# Altium PCB NewBoard.PcbDoc (part 2 of 3) (continued)
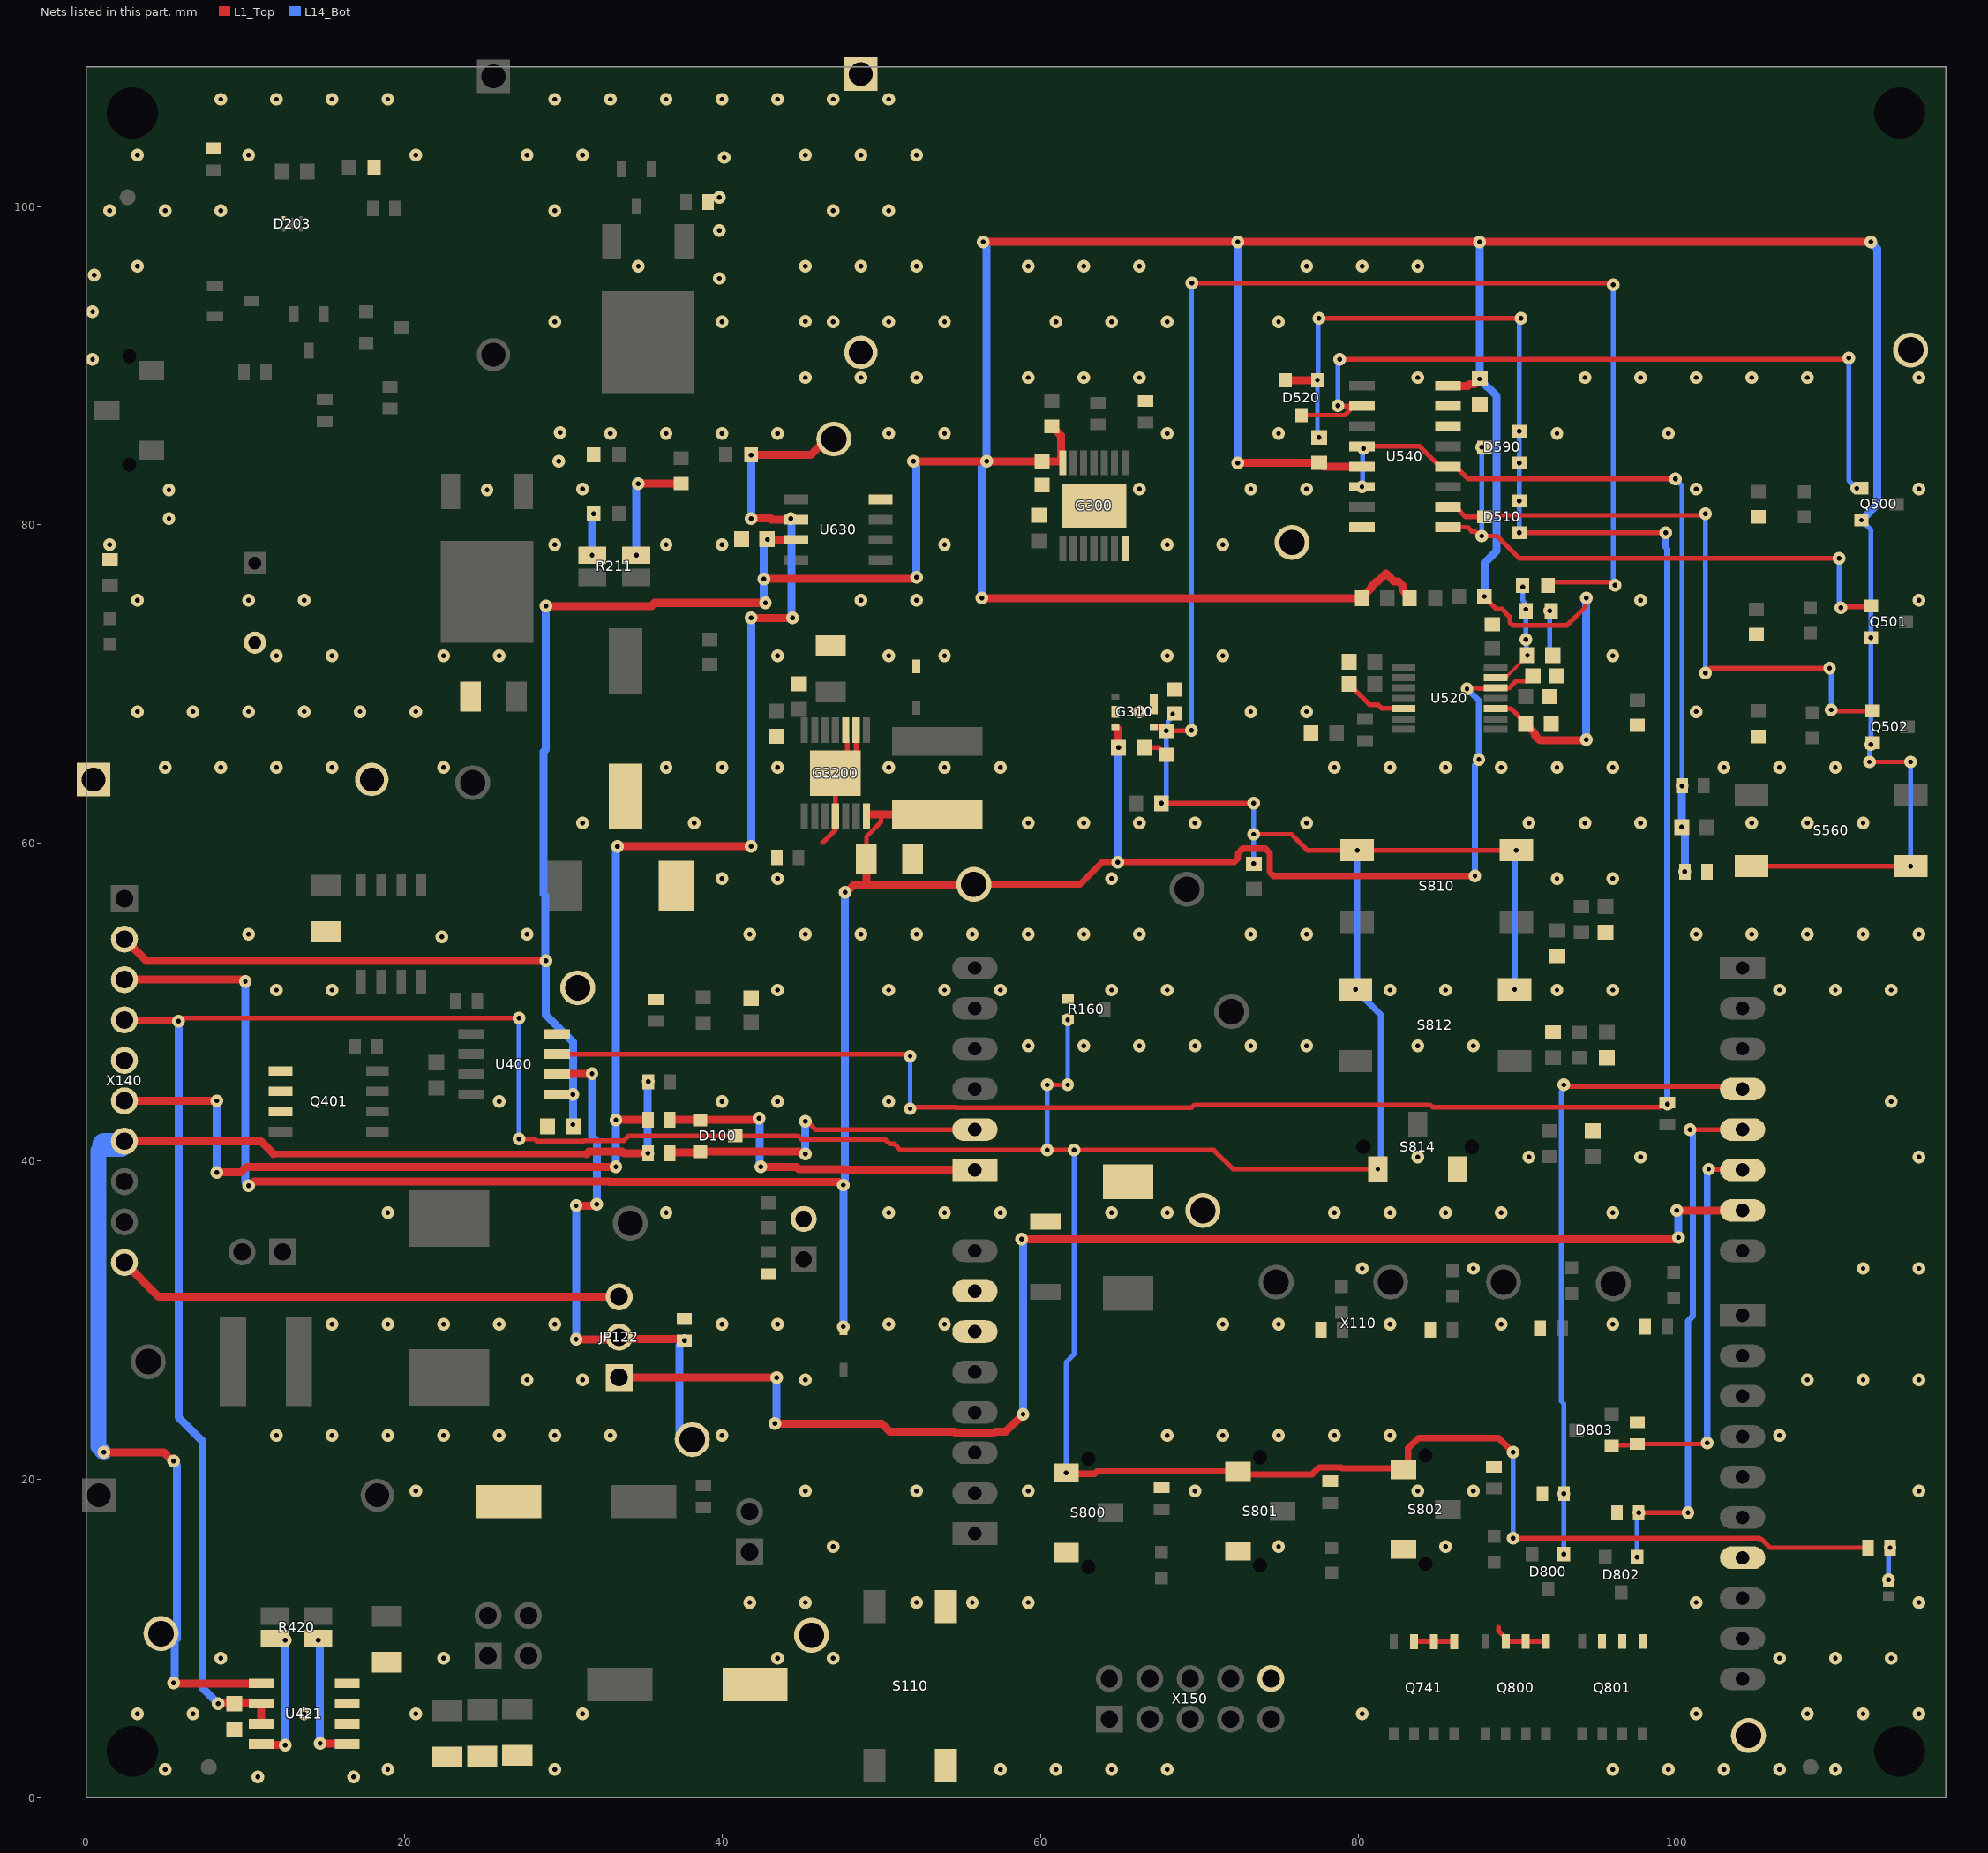
[diagram p2: the nets of this part, all layers, seen from the top]
## Part data (continued)
JP710: library part 624445, "Header, 4pins, 2.54mm pitch, Board to Board", Manufacturer="Wurth Elektronik", Package Description="Connector, THT, 2.54mm pitch, 4 pins,5.08mm L X 5.08mm W X 8.89mm H body", Supplier Part Number 1=2356130, Temperature max=105, Temperature min=-40, Temperature Range=Industrial, Voltage DC (max)=na, Article Number=624445, Automotive Qualified=No, Combined Parameters="Board-to-Board Header (male);2x2;Mounting:THT;Orient:0° (vertical);Shielded:No", ComponentLink1Description="Vendor WebSite", ComponentLink1URL=http://www.we-online.com, ComponentLink2Description=Datasheet, ComponentLink2URL=http://webnetprod.muc.infineon.com/PCBPortal_Prod/WorkFlows/AltiumComponent/StandardDocumentation?Versionid=624446, ComponentStatus=Released, Legacy DeviceID=WE_61300421121, Manufacturer Order Number=61300421121, PackageReference=THT, Part Type=Connector, PLMStatus=Active, QuickPick="0° (vertical) / Board-to-Board", RoHS Compliant=Y, Second Source allowed=Yes, Style=Strip, Supplier 1=Farnell, Supplier 2=DigiKey, Supplier 3=Mouser, Supplier Part Number 2=732-5294-ND, Supplier Part Number 3=710-61300421121, Type=Board-to-Board, Version Number=V01
L320: library part 638654, "IND / STD / 22uH / 2.1A / 20% / -40°C to 125°C / 89mR / SMD / Inductor; 2 pin, 6.00 mm L X 6.00 mm W X 4.50 mm H Body / SMD / -", Manufacturer="Wurth Elektronik", Package Description="Inductor; 2 pin, 6.00 mm L X 6.00 mm W X 4.50 mm H Body", Supplier Part Number 1=2431542, Temperature max=125, Temperature min=-40, Temperature Range=Automotive, Tolerance Neg=20%, Voltage DC (max)=na, Alternate View=Yes, Application="Power Electronics", Article Number=638654, Automotive Qualified="AEC Q200", Combined Parameters=Tol.:-20%/+20%;Rdc:89mR;Idc:2.1A;Fres:15MHz, ComponentLink1Description="Vendor WebSite", ComponentLink1URL=http://www.we-online.com, ComponentLink2Description=Datasheet, ComponentLink2URL=http://webnetprod.muc.infineon.com/PCBPortal_Prod/WorkFlows/AltiumComponent/StandardDocumentation?Versionid=638655, ComponentStatus=Released, Manufacturer Order Number=74404064220, Multiple Parts=No, PackageReference=SMD, Part Type=Inductor, PLMStatus=Active, QuickPick="22uH / Standard / SMD", RoHS Compliant=Y, Second Source allowed=Yes, Style=Single, Supplier 1=Farnell, Supplier 2=DigiKey, Supplier 3=Mouser, Supplier Part Number 2=732-5554-1-ND, Supplier Part Number 3=710-74404064220, Symbol Type="Inductor; Single; Standard; Polarized; Core; 2 Pins", Technology="Wire Wound", Tolerance Pos=20%, Type=Standard, Version Number=V01
L420: library part 657324, "IND / STD / 27uH / 4.6A / 20% / -40°C to 125°C / 40mR / 1210 / Inductor,Molded Body;12.00mm L X 12.00mm W X 10.00mm H / SMD / -", Manufacturer="Wurth Elektronik", Package Description="Inductor,Molded Body;12.00mm L X 12.00mm W X 10.00mm H", Supplier Part Number 1=2211547, Temperature max=125, Temperature min=-40, Temperature Range=Automotive, Tolerance Neg=20%, Voltage DC (max)=na, Alternate View=Yes, Application="Power Electronics", Article Number=657324, Automotive Qualified="AEC Q200", Combined Parameters=Tol.:-20%/+20%;Rdc:40mR;Idc:4.6A;Fres:8MHz, ComponentLink1Description="Vendor WebSite", ComponentLink1URL=http://www.we-online.com, ComponentLink2Description=Datasheet, ComponentLink2URL=http://webnetprod.muc.infineon.com/PCBPortal_Prod/WorkFlows/AltiumComponent/StandardDocumentation?Versionid=657325, ComponentStatus=Released, Manufacturer Order Number=7447709270, Multiple Parts=No, PackageReference=1210, Part Type=Inductor, PLMStatus=Active, QuickPick="27uH / Standard / 1210", RoHS Compliant=Y, Second Source allowed=Yes, Style=Single, Supplier 1=Farnell, Supplier 2=DigiKey, Supplier 3=Mouser, Supplier Part Number 2=732-4121-1-ND, Supplier Part Number 3=710-7447709270, Symbol Type="Inductor; Single; Standard; 2 Pins", Technology="Wire Wound", Tolerance Pos=20%, Type=Standard, Version Number=V00
L421: library part 657326, "IND / STD / 15uH / 5.8A / 20% / -55°C to 155°C / 43mR / 6.6 x 6.4 mm / Inductor, SMD, 2 pin, 6.40 mm L X 6.60 mm W X 6.00 mm H body / - / -", Manufacturer=Bourns, Package Description="Inductor, SMD, 2 pin, 6.40 mm L X 6.60 mm W X 6.00 mm H body", Supplier Part Number 1=2901829, Temperature max=155, Temperature min=-55, Temperature Range=Military, Tolerance Neg=20%, Voltage DC (max)=na, Alternate View=Yes, Application="Power Electronics", Article Number=657326, Automotive Qualified="AEC Q200", Combined Parameters=Tol.:-20%/+20%;Rdc:43mR;Idc:5.8A;Fres:11MHz, ComponentLink1Description="Vendor WebSite", ComponentLink1URL=http://www.bourns.com, ComponentLink2Description=Datasheet, ComponentLink2URL=http://webnetprod.muc.infineon.com/PCBPortal_Prod/WorkFlows/AltiumComponent/StandardDocumentation?Versionid=657327, ComponentStatus=Released, Manufacturer Order Number=SRP6060FA-150M, Multiple Parts=No, PackageReference="6.6 x 6.4 mm", Part Type=Inductor, PLMStatus=Active, QuickPick="15uH / Standard / 6.6 x 6.4 mm", RoHS Compliant=Y, Second Source allowed=Yes, Style=Single, Supplier 1=Farnell, Supplier 2=DigiKey, Supplier 3=Mouser, Supplier Part Number 2=SRP6060FA-150MCT-ND, Supplier Part Number 3=652-SRP6060FA-150M, Symbol Type="Inductor; Single; Standard; Core; 2 Pins", Technology="Wire Wound", Tolerance Pos=20%, Type=Standard, Version Number=V00
MP100 MP101 MP102 MP103: library part 455343, "Cheese Head Screw With Hexagon Socket, DIN 912 (ISO 4762), M3, 16mm length", Legacy PartNumber=MEC10000167, Manufacturer="Wurth Elektronik", Package Description="M3 Cheese Head Screw X 5.68mm Head", Temperature max=0, Temperature Range=Military, Voltage DC (max)=na, Alternate View=No, Article Number=455343, Automotive Qualified=No, Combined Parameters="Steel Hexagonal 19x5.68 Screw", ComponentLink1Description="Vendor WebSite", ComponentLink1URL=http://www.we-online.com, ComponentLink2Description=Datasheet, ComponentLink2URL=http://webnetprod.muc.infineon.com/PCBPortal_Prod/WorkFlows/AltiumComponent/StandardDocumentation?Versionid=455344, ComponentStatus=Released, Legacy DeviceID="MEC_0082 3 16", Manufacturer Order Number="0082 3 16", Multiple Parts=No, PackageReference=THT, Part Type=Mechanical, PLMStatus=Active, QuickPick=Screw, RoHS Compliant=N, Second Source allowed=Yes, Style=Hexagonal, Supplier 1=Farnell, Supplier 2=DigiKey, Supplier 3=Mouser, Symbol Type="Cheese-Head Screw, M2.5X5-DIN 912", Temperature min=0, Type=Screw, Version Number=V01
Q200 Q201: library part 644075, "OptiMOS Power Transistor, -60 V", Manufacturer="Infineon Technologies", Package Description="TO,2.28mm pitch;2 pin,9.98mm L X 6.50mm W X 2.50mm H body", Supplier Part Number 1=3267848, Temperature max=175, Temperature min=-55, Temperature Range=Military, Voltage DC (max)=na, Application="Power Electronics", Article Number=644075, Automotive Qualified=No, Combined Parameters="P-Channel Enhancement;Uds:-60V;Id:-22A;Rds:65R;P:83W", ComponentLink1Description="Vendor WebSite", ComponentLink1URL=https://www.infineon.com/, ComponentLink2Description=Datasheet, ComponentLink2URL=http://webnetprod.muc.infineon.com/PCBPortal_Prod/WorkFlows/AltiumComponent/StandardDocumentation?Versionid=644076, ComponentStatus=Released, Legacy DeviceID=IFX_IPD650P06NM, Manufacturer Order Number=IPD650P06NM, PackageReference=PG-TO252-3-313, Part Type="Transistor FET", PLMStatus=Active, QuickPick="P-Channel Enhancement / 83W / -22A / -60V / PG-TO252-3-313", RoHS Compliant=Y, Second Source allowed=Yes, Style=Single, Supplier 1=Farnell, Supplier 2=DigiKey, Supplier 3=Mouser, Supplier Part Number 2=448-IPD650P06NMATMA1CT-ND, Supplier Part Number 3=726-IPD650P06NMATMA1, Symbol Type="Insulated-Gate Field-Effect Transistor (IGFET), P-Channel, Enhancement,  Body Diode, Pin 1 Gate, 2 Drain, 3 Source, 3 Pins", Type="P-Channel Enhancement", Version Number=V01
Q202 Q500 Q501 Q502: library part 615536, "OptiMOSTM Small Signal Transistor, -60 V", Manufacturer="Infineon Technologies", Package Description="SOT,0.95mm,pitch;3 pin,1.30mm W X 2.90mm L X 1.10mm H body", Supplier Part Number 1=3267800, Temperature max=150, Temperature min=-55, Temperature Range=Military, Voltage DC (max)=na, Application="Small Signal", Article Number=615536, Automotive Qualified=No, Combined Parameters="P-Channel Enhancement;Uds:-60V;Id:-300mA;Rds:1.7R;P:360mW", ComponentLink1Description="Vendor WebSite", ComponentLink1URL=https://www.infineon.com/, ComponentLink2Description=Datasheet, ComponentLink2URL=http://webnetprod.muc.infineon.com/PCBPortal_Prod/WorkFlows/AltiumComponent/StandardDocumentation?Versionid=615537, ComponentStatus=Released, Legacy DeviceID=IFX_ISS17EP06LM, Manufacturer Order Number=ISS17EP06LM, PackageReference=PG-SOT23-3-5, Part Type="Transistor FET", PLMStatus=Active, QuickPick="P-Channel Enhancement / 360mW / -300mA / -60V / PG-SOT23-3-5", RoHS Compliant=Y, Second Source allowed=Yes, Style=Single, Supplier 1=Farnell, Supplier 2=DigiKey, Supplier 3=Mouser, Supplier Part Number 2=448-ISS17EP06LMXTSA1CT-ND, Supplier Part Number 3=726-ISS17EP06LMXTSA1, Symbol Type="Insulated-Gate Field-Effect Transistor (IGFET), P-Channel, Enhancement,  Body Diode, Pin 1 Gate, 2 Source, 3 Drain, 3 Pins", Type="P-Channel Enhancement", Version Number=V01
Q400 Q401: library part 584303, "HEXFET Power MOSFET, VDS 60V, RDS(on) max 14.4 mO", Manufacturer="Infineon Technologies", Package Description="Pullback Quad Flat No-Lead (PQFN); 4 pin, 6.00 mm L X 5.00 mm W X 0.90 mm H body", Supplier Part Number 1=2580010, Temperature max=150, Temperature min=-55, Temperature Range=Military, Voltage DC (max)=na, Application="Power Supply", Article Number=584303, Automotive Qualified=No, Combined Parameters="N-Channel Enhancement;Uds:60V;Id:40A;Rds:14.4R;P:46W", ComponentLink1Description="Vendor WebSite", ComponentLink1URL=https://www.infineon.com/, ComponentLink2Description=Datasheet, ComponentLink2URL=http://webnetprod.muc.infineon.com/PCBPortal_Prod/WorkFlows/AltiumComponent/StandardDocumentation?Versionid=584304, ComponentStatus=Released, Legacy DeviceID=IFX_IRFH5406TRPbF, Manufacturer Order Number=IRFH5406TRPbF, PackageReference=PQFN-5X6, Part Type="Transistor FET", PLMStatus=Active, QuickPick="N-Channel Enhancement / 46W / 40A / 60V / PQFN-5X6", RoHS Compliant=Y, Second Source allowed=Yes, Style=Single, Supplier 1=Farnell, Supplier 2=DigiKey, Supplier 3=Mouser, Supplier Part Number 2=IRFH5406TRPBFCT-ND, Supplier Part Number 3=942-IRFH5406TRPBF, Symbol Type="Insulated-Gate Field-Effect Transistor (IGFET), N-Channel, Enhancement, Body Diode, Pin 1 Source, 2 Source, 3 Source, 4 Gate, 5 Drain, 6 Drain, 7 Drain, 8 Drain, 8 Pins", Type="N-Channel Enhancement", Version Number=V01
Q741 Q800 Q801: library part 691273, "OptiMOS Power MOSFET, 30V", Manufacturer="Infineon Technologies", Package Description="PG-TDSON-8-6, SMD, 1.27 mm pitch, 8 pin, 5.90 mm W X 5.075 mm L X 1.20 mm H body", Supplier Part Number 1=2480745, Temperature max=150, Temperature min=-55, Temperature Range=Military, Voltage DC (max)=na, Application="Power Electronics", Article Number=691273, Automotive Qualified=No, Combined Parameters="N-Channel Enhancement;Uds:30V;Id:63A;Rds:4.5R;P:30W", ComponentLink1Description="Vendor WebSite", ComponentLink1URL=https://www.infineon.com/, ComponentLink2Description=Datasheet, ComponentLink2URL=http://webnetprod.muc.infineon.com/PCBPortal_Prod/WorkFlows/AltiumComponent/StandardDocumentation?Versionid=691274, ComponentStatus=Released, Legacy DeviceID=IFX_BSC0906NS, Manufacturer Order Number=BSC0906NS, PackageReference=TDSON-8, Part Type="Transistor FET", PLMStatus=Active, QuickPick="N-Channel Enhancement / 30W / 63A / 30V / TDSON-8", RoHS Compliant=Y, Second Source allowed=Yes, Style=Single, Supplier 1=Farnell, Supplier 2=DigiKey, Supplier 3=Mouser, Supplier Part Number 2=BSC0906NSATMA1CT-ND, Supplier Part Number 3=726-BSC0906NS, Symbol Type="Insulated-Gate Field-Effect Transistor (IGFET), N-Channel, Enhancement, Body Diode, Pin 1 Source, 2 Source, 3 Source, 4 Gate, 5 Drain, 6 Drain, 7 Drain, 8 Drain, 8 Pins", Type="N-Channel Enhancement", Version Number=V00
R100 R101 R102 R122 R204 R506 R507: library part 699383, "RES / STD / 100k / 100mW / 0.1% / 25ppm/K / -55°C to 155°C / 1.55mm L X 0.80mm W X 0.60mm H / - / -", Manufacturer=Bourns, Package Description="Resistor,Chip;1.55mm L X 0.80mm W X 0.60mm H", Supplier Part Number 1=2008311, Temperature max=155, Temperature min=-55, Temperature Range=Military, Tolerance Neg=0.1%, Voltage DC (max)=150V, Alternate View=Yes, Application=Precision, Article Number=699383, Automotive Qualified=No, Combined Parameters=TCR:25ppm/K;Tol.:-0.1%/+0.1%;Vdc:150V;Idc:-;P:100mW, ComponentLink1Description="Vendor WebSite", ComponentLink1URL=http://www.bourns.com, ComponentLink2Description=Datasheet, ComponentLink2URL=http://webnetprod.muc.infineon.com/PCBPortal_Prod/WorkFlows/AltiumComponent/StandardDocumentation?Versionid=699384, ComponentStatus=Released, Manufacturer Order Number=CRT0603-BY-1003ELF, Multiple Parts=No, PackageReference=CRT0603-BY-1003ELF, Part Type=Resistor, PLMStatus=Active, QuickPick="100k / 0.1% / 0.1 / CRT0603-BY-1003ELF", RoHS Compliant=Y, Second Source allowed=Yes, Style=Single, Supplier 1=Farnell, Supplier 2=DigiKey, Supplier 3=Mouser, Supplier Part Number 2=CRT0603-BY-1003ELFCT-ND, Supplier Part Number 3=652-CRT0603BY1003ELF, Symbol Type="Resistor; Single; Standard; 2 Pins", Technology="Thin Film", Tolerance Pos=0.1%, Type=Standard, Version Number=V00
R110 R111 R112 R200 R202 R203 R205 R209 R320: library part 346552, "RES / STD / 47k / 100mW / 1% / 100ppm/K / -55°C to 155°C / 0603 / SMD / -", Legacy PartNumber=RES01801333, Manufacturer=Vishay, Temperature max=155, Temperature min=-55, Temperature Range=Military, Tolerance Neg=1%, Voltage DC (max)=75V, Alternate View=Yes, Article Number=346552, Automotive Qualified="AEC Q200", Combined Parameters=TCR:100ppm/K;Tol.:-1%/+1%;Vdc:75V;Idc:-;P:100mW, ComponentLink1Description="Vendor WebSite", ComponentLink1URL=http://www.vishay.com, ComponentLink2Description=Datasheet, ComponentLink2URL=http://webnetprod.muc.infineon.com/PCBPortal_Prod/WorkFlows/AltiumComponent/StandardDocumentation?Versionid=346553, ComponentStatus=Released, Legacy DeviceID=RES01801333, Manufacturer Order Number=CRCW060347K0FK, Multiple Parts=No, PackageReference=0603, Part Type=Resistor, PLMStatus=Active, QuickPick="47k / 1% / 0.1 / 0603", RoHS Compliant=Y, Second Source allowed=Yes, Style=Single, Supplier 1=Farnell, Supplier 2=DigiKey, Supplier 3=Mouser, Supplier Part Number 2=541-47.0KHCT-ND, Symbol Type="Resistor; Single; Standard; 2 Pins", Technology="Thick Film", Tolerance Pos=1%, Type=Standard, Version Number=V01
R160: library part 700426, "RES / STD / 10k / 100mW / 25% / 250ppm/K / -40°C to 100°C / Potentiometer, SMD, 3 pin, 2.60 mm L X 2.20 mm W X 0.90 mm H Body / - / -", Manufacturer=Bourns, Package Description="Potentiometer, SMD, 3 pin, 2.60 mm L X 2.20 mm W X 0.90 mm H Body", Temperature max=100, Temperature min=-40, Temperature Range=Industrial, Tolerance Neg=25%, Voltage DC (max)=50V, Alternate View=Yes, Application=Standard, Article Number=700426, Automotive Qualified=No, Combined Parameters=TCR:250ppm/K;Tol.:-25%/+25%;Vdc:50V;Idc:-;P:100mW, ComponentLink1Description="Vendor WebSite", ComponentLink1URL=http://www.bourns.com, ComponentLink2Description=Datasheet, ComponentLink2URL=http://webnetprod.muc.infineon.com/PCBPortal_Prod/WorkFlows/AltiumComponent/StandardDocumentation?Versionid=700427, ComponentStatus=Released, Manufacturer Order Number=TC42X-2-103E, Multiple Parts=No, PackageReference=TC42X-2-103E, Part Type=Resistor, PLMStatus=Active, QuickPick="10k / 25% / 0.1 / TC42X-2-103E", RoHS Compliant=Y, Second Source allowed=Yes, Style=Single, Supplier 1=Farnell, Supplier 2=DigiKey, Supplier 3=Mouser, Supplier Part Number 2=TC42X-2-103ECT-ND, Supplier Part Number 3=652-TC42X-2-103E, Symbol Type="Resistor; Single; Variable; 3 Pins", Tolerance Pos=25%, Type=Standard, Version Number=V00
R170 R400 R401 R720: library part 344622, "RES / STD / 20R / 100mW / 1% / 100ppm/K / -55°C to 155°C / 0603 / SMD / -", Legacy PartNumber=RES01800947, Manufacturer=Vishay, Temperature max=155, Temperature min=-55, Temperature Range=Military, Tolerance Neg=1%, Voltage DC (max)=75V, Alternate View=Yes, Article Number=344622, Automotive Qualified="AEC Q200", Combined Parameters=TCR:100ppm/K;Tol.:-1%/+1%;Vdc:75V;Idc:-;P:100mW, ComponentLink1Description="Vendor WebSite", ComponentLink1URL=http://www.vishay.com, ComponentLink2Description=Datasheet, ComponentLink2URL=http://webnetprod.muc.infineon.com/PCBPortal_Prod/WorkFlows/AltiumComponent/StandardDocumentation?Versionid=344623, ComponentStatus=Released, Legacy DeviceID=RES01800947, Manufacturer Order Number=CRCW060320R0FK, Multiple Parts=No, PackageReference=0603, Part Type=Resistor, PLMStatus=Active, QuickPick="20R / 1% / 0.1 / 0603", RoHS Compliant=Y, Second Source allowed=Yes, Style=Single, Supplier 1=Farnell, Supplier 2=DigiKey, Supplier 3=Mouser, Symbol Type="Resistor; Single; Standard; 2 Pins", Technology="Thick Film", Tolerance Pos=1%, Type=Standard, Version Number=V01
R210 R212 R220 R301 R504 R510 R511 R551 R552 R553 R721 R814: library part 699489, "RES / STD / 17.8k / 100mW / 1% / 100ppm/K / -55°C to 155°C / 1.60mm L X 0.80mm W X 0.60mm H / - / -", Manufacturer=Multicomp, Package Description="Resistor,Chip;1.60mm L X 0.80mm W X 0.60mm H", Supplier Part Number 1=2447265, Temperature max=155, Temperature min=-55, Temperature Range=Military, Tolerance Neg=1%, Alternate View=Yes, Application=Standard, Article Number=699489, Automotive Qualified=No, Combined Parameters=TCR:100ppm/K;Tol.:-1%/+1%;Vdc:-;Idc:-;P:100mW, ComponentLink1Description="Vendor WebSite", ComponentLink1URL=http://www.farnellinone.com, ComponentLink2Description=Datasheet, ComponentLink2URL=http://webnetprod.muc.infineon.com/PCBPortal_Prod/WorkFlows/AltiumComponent/StandardDocumentation?Versionid=699490, ComponentStatus=Released, Manufacturer Order Number=MCWR06X1782FTL, Multiple Parts=No, PackageReference=MCWR06X1782FTL, Part Type=Resistor, PLMStatus=Active, QuickPick="17.8k / 1% / 0.1 / MCWR06X1782FTL", RoHS Compliant=Y, Second Source allowed=Yes, Style=Single, Supplier 1=Farnell, Supplier 2=DigiKey, Supplier 3=Mouser, Symbol Type="Resistor; Single; Standard; 2 Pins", Technology="Thick Film", Tolerance Pos=1%, Type=Standard, Version Number=V00
R211 R420: library part 644055, "RES / STD / 15mR / 500mW / 1% / 75ppm/K / -55°C to 155°C / 1206 (3216) / SMD / -", Manufacturer=Ohmite, Package Description="Resistor, SMD, 4 pin, 3.00 mm L X 1.60 mm W X 0.65 mm H body", Supplier Part Number 1=3274221, Temperature max=155, Temperature min=-55, Temperature Range=Military, Tolerance Neg=1%, Alternate View=Yes, Application=Precision, Article Number=644055, Automotive Qualified=No, Combined Parameters=TCR:75ppm/K;Tol.:-1%/+1%;Vdc:-;Idc:-;P:500mW, ComponentLink1Description="Vendor WebSite", ComponentLink1URL=http://www.ohmite.com, ComponentLink2Description=Datasheet, ComponentLink2URL=http://webnetprod.muc.infineon.com/PCBPortal_Prod/WorkFlows/AltiumComponent/StandardDocumentation?Versionid=644056, ComponentStatus=Released, Manufacturer Order Number=L4T12FR015FER, Multiple Parts=No, PackageReference="1206 (3216)", Part Type=Resistor, PLMStatus=Active, QuickPick="15mR / 1% / 0.5 / 1206 (3216)", RoHS Compliant=Y, Second Source allowed=Yes, Style="4-Terminal (Shunt)", Supplier 1=Farnell, Supplier 2=DigiKey, Supplier 3=Mouser, Supplier Part Number 2=273-L4T12FR015FERCT-ND, Supplier Part Number 3=284-L4T12FR015FER, Symbol Type="Resistor; 4-Terminal (Shunt); Standard; 4 Pins", Technology="Thick Film", Tolerance Pos=1%, Type=Standard, Version Number=V01
R214: library part 699481, "RES / STD / 1MEG / 63mW / 1% / 100ppm/K / - / 1.60mm L X 0.825mm W X 0.55mm H / - / -", Manufacturer=Multicomp, Package Description="Resistor,Chip;1.60mm L X 0.825mm W X 0.55mm H", Temperature max=0, Temperature Range=Military, Tolerance Neg=1%, Alternate View=Yes, Application=Standard, Article Number=699481, Automotive Qualified=No, Combined Parameters=TCR:100ppm/K;Tol.:-1%/+1%;Vdc:-;Idc:-;P:63mW, ComponentLink1Description="Vendor WebSite", ComponentLink1URL=http://www.farnellinone.com, ComponentLink2Description=Datasheet, ComponentLink2URL=http://webnetprod.muc.infineon.com/PCBPortal_Prod/WorkFlows/AltiumComponent/StandardDocumentation?Versionid=699482, ComponentStatus=Released, Manufacturer Order Number=MC0063W060311M, Multiple Parts=No, PackageReference=MC0063W060311M, Part Type=Resistor, PLMStatus=Active, QuickPick="1MEG / 1% / 0.063 / MC0063W060311M", RoHS Compliant=N, Second Source allowed=Yes, Style=Single, Supplier 1=Farnell, Supplier 2=DigiKey, Supplier 3=Mouser, Symbol Type="Resistor; Single; Standard; 2 Pins", Technology="Thick Film", Temperature min=0, Tolerance Pos=1%, Type=Standard, Version Number=V00
R221 R302 R303 R508 R722 R800 R801 R802 R803 R804 R805 R806: library part 345782, "RES / STD / 2.2k / 100mW / 1% / 100ppm/K / -55°C to 155°C / 0603 / SMD / -", Legacy PartNumber=RES01801179, Manufacturer=Vishay, Temperature max=155, Temperature min=-55, Temperature Range=Military, Tolerance Neg=1%, Voltage DC (max)=75V, Alternate View=Yes, Article Number=345782, Automotive Qualified="AEC Q200", Combined Parameters=TCR:100ppm/K;Tol.:-1%/+1%;Vdc:75V;Idc:-;P:100mW, ComponentLink1Description="Vendor WebSite", ComponentLink1URL=http://www.vishay.com, ComponentLink2Description=Datasheet, ComponentLink2URL=http://webnetprod.muc.infineon.com/PCBPortal_Prod/WorkFlows/AltiumComponent/StandardDocumentation?Versionid=345783, ComponentStatus=Released, Legacy DeviceID=RES01801179, Manufacturer Order Number=CRCW06032K20FK, Multiple Parts=No, PackageReference=0603, Part Type=Resistor, PLMStatus=Active, QuickPick="2.2k / 1% / 0.1 / 0603", RoHS Compliant=Y, Second Source allowed=Yes, Style=Single, Supplier 1=Farnell, Supplier 2=DigiKey, Supplier 3=Mouser, Symbol Type="Resistor; Single; Standard; 2 Pins", Technology="Thick Film", Tolerance Pos=1%, Type=Standard, Version Number=V01
R500 R501 R502 R503 R509 R527 R532 R810 R812: library part 699381, "RES / STD / 4.7k / 100mW / 1% / 100ppm/K / -55°C to 155°C / 1.60mm L X 0.85mm W X 0.55mm H / - / -", Manufacturer=Panasonic, Package Description="Resistor,Chip;1.60mm L X 0.85mm W X 0.55mm H", Supplier Part Number 1=2303181, Temperature max=155, Temperature min=-55, Temperature Range=Military, Tolerance Neg=1%, Alternate View=Yes, Application=Standard, Article Number=699381, Automotive Qualified="AEC Q200", Combined Parameters=TCR:100ppm/K;Tol.:-1%/+1%;Vdc:-;Idc:-;P:100mW, ComponentLink1Description="Vendor WebSite", ComponentLink1URL=http://panasonic.net/sanyo/index.html, ComponentLink2Description=Datasheet, ComponentLink2URL=http://webnetprod.muc.infineon.com/PCBPortal_Prod/WorkFlows/AltiumComponent/StandardDocumentation?Versionid=699382, ComponentStatus=Released, Manufacturer Order Number=ERJ3EKF4701V, Multiple Parts=No, PackageReference=ERJ3EKF4701V, Part Type=Resistor, PLMStatus=Active, QuickPick="4.7k / 1% / 0.1 / ERJ3EKF4701V", RoHS Compliant=Y, Second Source allowed=Yes, Style=Single, Supplier 1=Farnell, Supplier 2=DigiKey, Supplier 3=Mouser, Supplier Part Number 2=P4.70KHCT-ND, Supplier Part Number 3=667-ERJ-3EKF4701V, Symbol Type="Resistor; Single; Standard; 2 Pins", Technology="Thick Film", Tolerance Pos=1%, Type=Standard, Version Number=V00
R505 R632 R634 R811 R813: library part 699501, "RES / STD / 64.9k / 100mW / 1% / 100ppm/K / -55°C to 155°C / 1.60mm L X 0.80mm W X 0.60mm H / - / -", Manufacturer=Multicomp, Package Description="Resistor,Chip;1.60mm L X 0.80mm W X 0.60mm H", Supplier Part Number 1=2447417RL, Temperature max=155, Temperature min=-55, Temperature Range=Military, Tolerance Neg=1%, Alternate View=Yes, Application=Standard, Article Number=699501, Automotive Qualified=No, Combined Parameters=TCR:100ppm/K;Tol.:-1%/+1%;Vdc:-;Idc:-;P:100mW, ComponentLink1Description="Vendor WebSite", ComponentLink1URL=http://www.farnellinone.com, ComponentLink2Description=Datasheet, ComponentLink2URL=http://webnetprod.muc.infineon.com/PCBPortal_Prod/WorkFlows/AltiumComponent/StandardDocumentation?Versionid=699502, ComponentStatus=Released, Manufacturer Order Number=MCWR06X6492FTL, Multiple Parts=No, PackageReference=MCWR06X6492FTL, Part Type=Resistor, PLMStatus=Active, QuickPick="64.9k / 1% / 0.1 / MCWR06X6492FTL", RoHS Compliant=Y, Second Source allowed=Yes, Style=Single, Supplier 1=Farnell, Supplier 2=DigiKey, Supplier 3=Mouser, Symbol Type="Resistor; Single; Standard; 2 Pins", Technology="Thick Film", Tolerance Pos=1%, Type=Standard, Version Number=V00
R528: library part 346742, "RES / STD / 100k / 100mW / 1% / 100ppm/K / -55°C to 155°C / 0603 / SMD / -", Legacy PartNumber=RES01801371, Manufacturer=Vishay, Supplier Part Number 1=1469649, Temperature max=155, Temperature min=-55, Temperature Range=Military, Tolerance Neg=1%, Voltage DC (max)=75V, Alternate View=Yes, Article Number=346742, Automotive Qualified="AEC Q200", Combined Parameters=TCR:100ppm/K;Tol.:-1%/+1%;Vdc:75V;Idc:-;P:100mW, ComponentLink1Description="Vendor WebSite", ComponentLink1URL=http://www.vishay.com, ComponentLink2Description=Datasheet, ComponentLink2URL=http://webnetprod.muc.infineon.com/PCBPortal_Prod/WorkFlows/AltiumComponent/StandardDocumentation?Versionid=346743, ComponentStatus=Released, Legacy DeviceID=RES01801371, Manufacturer Order Number=CRCW0603100KFK, Multiple Parts=No, PackageReference=0603, Part Type=Resistor, PLMStatus=Active, QuickPick="100k / 1% / 0.1 / 0603", RoHS Compliant=Y, Second Source allowed=Yes, Style=Single, Supplier 1=Farnell, Supplier 2=DigiKey, Supplier 3=Mouser, Symbol Type="Resistor; Single; Standard; 2 Pins", Technology="Thick Film", Tolerance Pos=1%, Type=Standard, Version Number=V01
R631 R633: library part 699494, "RES / STD / 1.3k / 100mW / 1% / 100ppm/K / -55°C to 155°C / 1.60mm L X 0.80mm W X 0.60mm H / - / -", Manufacturer=Multicomp, Package Description="Resistor,Chip;1.60mm L X 0.80mm W X 0.60mm H", Supplier Part Number 1=2447277, Temperature max=155, Temperature min=-55, Temperature Range=Military, Tolerance Neg=1%, Alternate View=Yes, Application=Standard, Article Number=699494, Automotive Qualified=No, Combined Parameters=TCR:100ppm/K;Tol.:-1%/+1%;Vdc:-;Idc:-;P:100mW, ComponentLink1Description="Vendor WebSite", ComponentLink1URL=http://www.farnellinone.com, ComponentLink2Description=Datasheet, ComponentLink2URL=http://webnetprod.muc.infineon.com/PCBPortal_Prod/WorkFlows/AltiumComponent/StandardDocumentation?Versionid=699495, ComponentStatus=Released, Manufacturer Order Number=MCWR06X1301FTL, Multiple Parts=No, PackageReference=MCWR06X1782FTL, Part Type=Resistor, PLMStatus=Active, QuickPick="1.3k / 1% / 0.1 / MCWR06X1782FTL", RoHS Compliant=Y, Second Source allowed=Yes, Style=Single, Supplier 1=Farnell, Supplier 2=DigiKey, Supplier 3=Mouser, Symbol Type="Resistor; Single; Standard; 2 Pins", Technology="Thick Film", Tolerance Pos=1%, Type=Standard, Version Number=V00
S110 S560 S810 S812: library part 380147, "Pushbutton Tactile Switch, Single Pole Single Throw, 4 Pins", Legacy PartNumber=CON01500305, Manufacturer=Schurter, Package Description="SMD Switch, 6.00mm L X 6.00mm W X 4.3mm H body", Supplier Part Number 1=1217763, Temperature max=70, Temperature min=-20, Temperature Range=Commercial, Voltage DC (max)=na, Article Number=380147, ComponentLink1Description="Vendor WebSite", ComponentLink1URL=http://www.schurter.com.sg/, ComponentLink2Description=Datasheet, ComponentLink2URL=http://webnetprod.muc.infineon.com/PCBPortal_Prod/WorkFlows/AltiumComponent/StandardDocumentation?Versionid=380148, ComponentStatus=Released, Legacy DeviceID=SCH_1301.9314, Manufacturer Order Number=1301.9314, Part Type="Electro Mechanic", PLMStatus=Active, RoHS Compliant=Y, Second Source allowed=Yes, Supplier 1=Farnell, Supplier 2=DigiKey, Supplier 3=Mouser, Supplier Part Number 2=1301.9314-ND, Supplier Part Number 3=693-1301.9314, Symbol Type="Tactile Switch, Spring Return, Single Pole Single Throw - Normally Open, 4 Pins", Version Number=V01
S200 S800 S801 S802 S814: library part 650099, "Slid Switch, 12V, 200mA", Manufacturer="NIDEC COPAL ELECTRONICS, Inc.", Package Description="Switch, SMD, 3 Pins, 3.50 mm W X 8.50 mm L X 6.10 mm H body", Supplier Part Number 1=2854744, Temperature max=85, Temperature min=-40, Temperature Range=Industrial, Voltage DC (max)=na, Application=Power, Article Number=650099, Automotive Qualified=No, ComponentLink1Description="Vendor WebSite", ComponentLink1URL=www.copal-electronics.com/, ComponentLink2Description=Datasheet, ComponentLink2URL=http://webnetprod.muc.infineon.com/PCBPortal_Prod/WorkFlows/AltiumComponent/StandardDocumentation?Versionid=650100, ComponentStatus=Released, Manufacturer Order Number=CL-SB-12A-01T, Part Type="Electro Mechanic", PLMStatus=Active, RoHS Compliant=Y, Second Source allowed=Yes, Supplier 1=Farnell, Supplier 2=DigiKey, Supplier 3=Mouser, Supplier Part Number 2=563-1314-1-ND, Supplier Part Number 3=229-CL-SB-12A-01T, Symbol Type="Switch, 2 Change Over 1 3, 3 Pins", Version Number=V00
TP100 TP101 TP102 TP103 TP104 TP105: library part 382410, "PC Test Point-Multipurpose THT, Black", Legacy PartNumber=CON01500530, Manufacturer="Keystone Electronics Corp.", Package Description="Test Point, 1.78 mm Lead Width, Round, 3.17 mm Dia X 8.28 mm H body", Supplier Part Number 1=2431148, Temperature max=0, Temperature Range=Military, Voltage DC (max)=na, Alternate View=Yes, Application=Test, Article Number=382410, Automotive Qualified=No, Combined Parameters="Board-to-Cable None (onboard);1x1;Mounting:THT;Orient:0° (vertical);Shielded:No", ComponentLink1Description="Vendor WebSite", ComponentLink1URL=http://www.keyelco.com/, ComponentLink2Description=Datasheet, ComponentLink2URL=http://webnetprod.muc.infineon.com/PCBPortal_Prod/WorkFlows/AltiumComponent/StandardDocumentation?Versionid=382411, ComponentStatus=Released, Legacy DeviceID=KEY_5011, Manufacturer Order Number=5011, Multiple Parts=No, Part Type=Connector, PLMStatus=Active, QuickPick="0° (vertical) / Board-to-Cable", RoHS Compliant=Y, Second Source allowed=Yes, Style="Not Applicable", Supplier 1=Farnell, Supplier 2=DigiKey, Supplier 3=Mouser, Supplier Part Number 2=36-5011-ND, Supplier Part Number 3=534-5011, Symbol Type="Connector, 1 Lead, Female", Temperature min=0, Type=Board-to-Cable, Version Number=V01
TP160 TP211 TP320 TP400 TP401 TP431 TP532 TP600 TP630 X801 X805 X806 X808: library part 382400, "PC Test Point-Multipurpose THT, Red", Legacy PartNumber=CON01500529, Manufacturer="Keystone Electronics Corp.", Package Description="Test Point, 1.78 mm Lead Width, Round, 3.17 mm Dia X 8.28 mm H body", Supplier Part Number 1=2301288, Temperature max=0, Temperature Range=Military, Voltage DC (max)=na, Alternate View=Yes, Application=Test, Article Number=382400, Automotive Qualified=No, Combined Parameters="Board-to-Cable None (onboard);1x1;Mounting:THT;Orient:0° (vertical);Shielded:No", ComponentLink1Description="Vendor WebSite", ComponentLink1URL=http://www.keyelco.com/, ComponentLink2Description=Datasheet, ComponentLink2URL=http://webnetprod.muc.infineon.com/PCBPortal_Prod/WorkFlows/AltiumComponent/StandardDocumentation?Versionid=382401, ComponentStatus=Released, Legacy DeviceID=KEY_5010, Manufacturer Order Number=5010, Multiple Parts=No, Part Type=Connector, PLMStatus=Active, QuickPick="0° (vertical) / Board-to-Cable", RoHS Compliant=Y, Second Source allowed=Yes, Style="Not Applicable", Supplier 1=Farnell, Supplier 2=DigiKey, Supplier 3=Mouser, Supplier Part Number 2=36-5010-ND, Supplier Part Number 3=534-5010, Symbol Type="Connector, 1 Lead, Female", Temperature min=0, Type=Board-to-Cable, Version Number=V01
U400: library part 610849, "A high voltage, high speed power MOSFET and IGBT driver with independent high and low side referenced output channels The output drivers feature a high pulse current buffer stage designed for minimum driver cross-conduction", Manufacturer="Infineon Technologies", Package Description="SOIC,1.27mm pitch;8 pin,3.90mm W X 4.90mm L X 1.72mm H body", Temperature max=125, Temperature min=-40, Temperature Range=Automotive, Voltage DC (max)=na, Alternate View=No, Application=Industrial, Article Number=610849, Automotive Qualified=No, Combined Parameters="Industrial Driver;Vdc min/max:10V/25V;Iout:290mA;Fmax:-", ComponentLink1Description="Vendor WebSite", ComponentLink1URL=https://www.infineon.com/, ComponentLink2Description=Datasheet, ComponentLink2URL=http://webnetprod.muc.infineon.com/PCBPortal_Prod/WorkFlows/AltiumComponent/StandardDocumentation?Versionid=610850, ComponentStatus=Released, Legacy DeviceID=2ED2101S06F, Manufacturer Order Number=2ED2101S06F, Multiple Parts=No, PackageReference=PG-DSO-8, Part Type="Integrated Circuit", PLMStatus=Active, QuickPick=PG-DSO-8, RoHS Compliant=Y, Second Source allowed=Yes, Supplier 1=Farnell, Supplier 2=DigiKey, Supplier 3=Mouser, Symbol Type="High-side and low-side gate driver with integrated bootstrap diode", Type=Driver, Version Number=V01